# Altium PCB PCB_EUROC_mk2_BGA.PcbDoc (part 1 of 3) (continued)
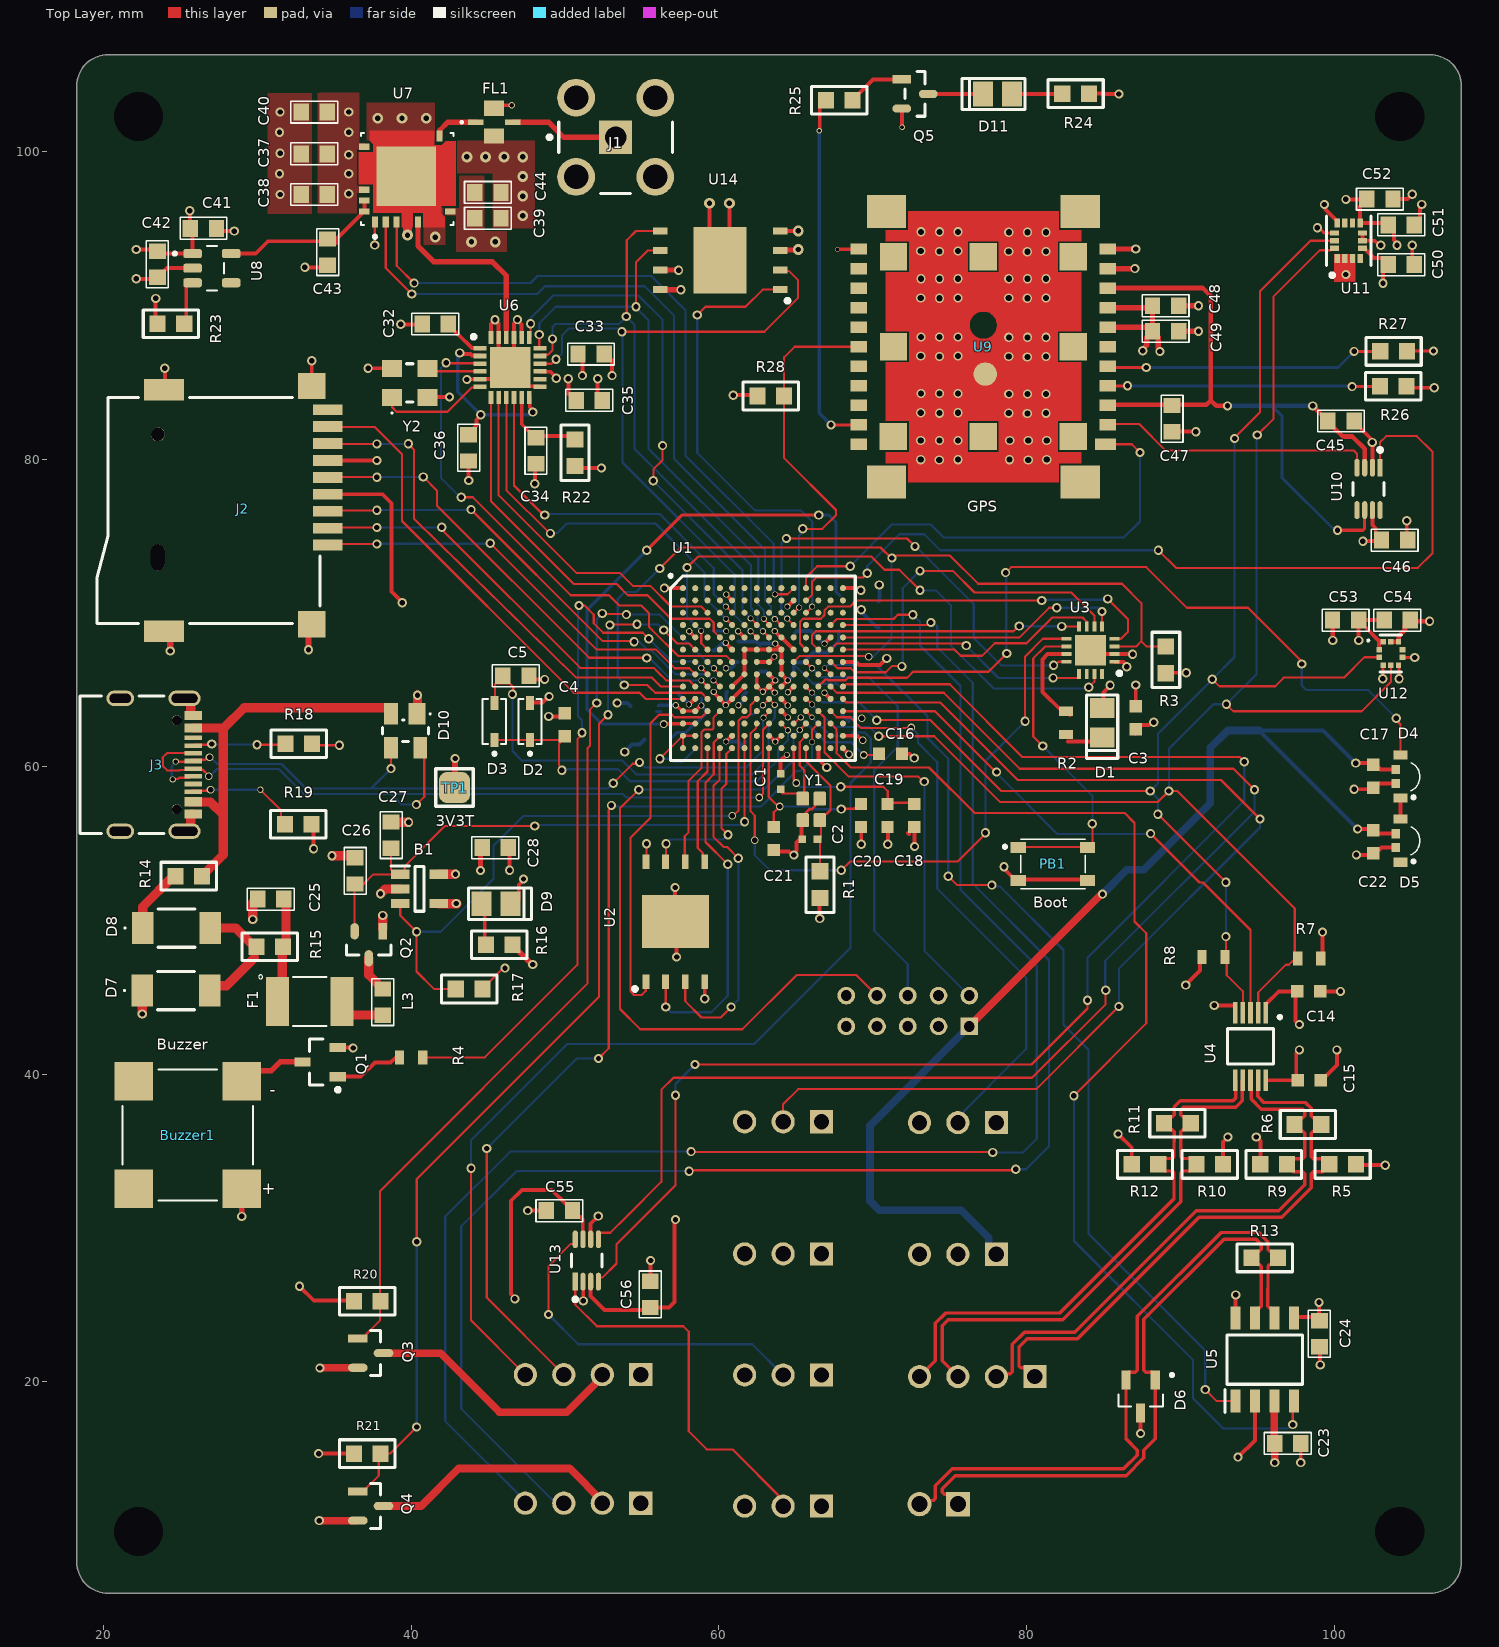
[diagram p0: Top Layer view]
## Design rules (kind name [scope] priority, off if disabled: settings)
Clearance Clearance_BGA [WithinRoom('BGA_Clearence')] p1: gap=0 ignorepadtopadclearanceinfootprint=TRUE except(0.09: Arc-Arc; 0.1: Arc-Poly Track-Poly SMDPad-Poly THPad-Poly Via-Poly Fill-Poly Poly-Poly; 0.127: Arc-Via Track-Via SMDPad-Via; 0.14: Arc-Track Arc-SMDPad Track-Track Track-SMDPad SMDPad-SMDPad; 0.33: Arc-THPad Track-THPad SMDPad-THPad THPad-THPad)
Clearance Clearance_1 [All] p2: gap=0.1 ignorepadtopadclearanceinfootprint=FALSE except(0: Arc-Hole Track-Hole SMDPad-Hole THPad-Hole Via-Hole Fill-Hole Text-Hole; 0.102: Track-Track; 0.127: Arc-SMDPad Arc-Via Track-SMDPad Track-Via SMDPad-SMDPad SMDPad-Via THPad-Via Via-Via; 0.15: Arc-Text Track-Text SMDPad-Text THPad-Text Via-Text Fill-Text Poly-Text Region-Text Text-Text; 0.33: Arc-THPad Track-THPad SMDPad-THPad THPad-THPad; 0.4: THPad-Poly)
DiffPairsRouting [All] p1: maxlimit=0.254 minlimit=0.1 mostfreqgap=0.127 toplayer_prefgap=0.21 toplayer_minwidth=0.127 toplayer_maxwidth=0.381 toplayer_prefwidth=0.16 midlayer1_mingap=0.127 midlayer1_maxgap=0.127 midlayer1_minwidth=0.15 midlayer1_maxwidth=0.15 midlayer1_prefwidth=0.15 midlayer2_mingap=0.127 midlayer2_maxgap=0.127 midlayer2_minwidth=0.15 midlayer2_maxwidth=0.15 midlayer2_prefwidth=0.15 bottomlayer_mingap=0.127 bottomlayer_maxgap=0.127 bottomlayer_minwidth=0.222 bottomlayer_maxwidth=0.222 bottomlayer_prefwidth=0.222 maxuncoupledlength=100
MatchedLengths [InDifferentialPairClass('All Differential Pairs')] p1: tolerance=25.4 checknetsindiffpair=FALSE checkdiffpairvsdiffpair=TRUE checkxsignals=TRUE checkothers=TRUE usedelayunits=TRUE delaytolerance=100.000000
PolygonConnect [All] p1: connectstyle=Direct reliefconductorwidth=0.254 reliefentries=4 polygonreliefangle="90 Angle" airgapwidth=0.254
RoutingVias [All] p1: holewidth=0.3 width=0.4 viastyle="Through Hole" minholewidth=0.3 minwidth=0 maxholewidth=0.6 maxwidth=0.7
SolderMaskExpansion [All] p1: expansion=0.05 istentingtop=FALSE
SupplyNets "Schematic Supply Nets_8" [InNet('GND')] p1: voltage=0.000
SupplyNets "Schematic Supply Nets_7" [InNet('GND_CAM_1')] p2: voltage=0.000
SupplyNets "Schematic Supply Nets_6" [InNet('1V8')] p3: voltage=0.000
SupplyNets "Schematic Supply Nets_5" [InNet('VUSB')] p4: voltage=0.000
SupplyNets "Schematic Supply Nets_4" [InNet('+3V3')] p5: voltage=0.000
SupplyNets "Schematic Supply Nets_3" [InNet('+5V')] p6: voltage=0.000
SupplyNets "Schematic Supply Nets_2" [InNet('GND_CAM_2')] p7: voltage=0.000
SupplyNets "Schematic Supply Nets_1" [InNet('+3V3T')] p8: voltage=0.000
SupplyNets "Schematic Supply Nets" [InNet('+5VT')] p9: voltage=0.000
ViasUnderSMD [All] p1: allowed=FALSE
Width [All] p1: maxlimit=0.65 minlimit=0.14 preferedwidth=0.254
29 further rules are at their usual default settings.

## Classes and differential pairs
differential pair class CAN_BUS: CAN
component class RF: 32 C32 C33 C34 C35 C36 C37 C38 C39 C40 C41 C42 C43 C44 FL1 J1 R22 R23 U6 U7 U8 Y2
component class PMU: 5V B1 C23 C24 C25 C26 C27 C28 C29 C30 C31 CAN_N D6 D7 D8 D9 D10 F1 GND J3 L3 Q2 Q3 Q4 R13 R14 R15 R16 R17 R18 R19 R20 R21 TP1 U5
component class Modulos: 20 21 24 27 C45 C46 C47 C48 C49 C50 C51 C52 C53 C54 C55 C56 D11 J2 l P P7 Q5 R24 R25 R26 R27 R28 TX U9 U10 U11 U12 U13 U14
component class CPU: Buzzer1 C1 C2 C3 C4 C5 C6 C7 C8 C9 C10 C11 C12 C13 C14 C15 C16 C17 C18 C19 C20 C21 C22 D1 D2 D3 D4 D5 L1 L2 PB1 Q1 R1 R2 R3 R4 R5 R6 R7 R8 R9 R10 R11 R12 SDA_P U1 U2 U3 U4 Y1
differential pair I2C1_SDA: +I2C1_SDA_P -I2C1_SDA_N
differential pair I2C1_SCL: +I2C1_SCL_P -I2C1_SCL_N
differential pair CAN: +CAN_P -CAN_N

## Components (designator, comment, footprint, x,y, rotation, side; value= is the part's Value field where it differs from the comment)
5V "Header 3" "JST XH 3" 64.172,28.31 r0 bottom
5V "Header 3" "JST XH 3" 75.54,28.284 r0 bottom
20 "Header 3" XH-3-PM 75.54,36.844 r0 bottom
21 "Header 3" XH-3-PM 64.172,20.436 r0 bottom
24 "Header 3" XH-3-PM 64.172,36.895 r0 bottom
27 "Header 3" XH-3-PM 64.172,11.914 r0 bottom
B1 "TLV75733PDBVR" SOT95P280X145-5N 40.535,52.05 r0 top
Buzzer1 "Alarm" CMT-8504-100-SMT-TR-Footprint-1 25.473,36.048 r180 top
C1 "885392005127" WCAP-CSRF_0402 64.017,59.042 r90 top value=12pF
C2 "885392005127" WCAP-CSRF_0402 65.913,55.29 r180 top value=12pF
C3 "885012206073" WCAP-CSGP_0603_L1.6W0.8H0.8_Reflow 87.096,63.174 r270 top value=220nF
C4 "885012206073" WCAP-CSGP_0603_L1.6W0.8H0.8_Reflow 49.979,62.725 r270 top value=220nF
C5 "Cap ceramic" MY_0603 46.801,65.913 r0 top value=10uF
C6 "885012206073" WCAP-CSGP_0603_L1.6W0.8H0.8_Reflow 61.699,62.155 r270 bottom value=220nF
C7 "Cap ceramic" MY_0603 68.019,64.196 r270 bottom value=10uF
C8 "885012106012" WCAP-CSGP_0603_L1.6W0.8H0.8_Reflow 62.659,67.055 r270 bottom value=4.7µF
C9 "885012206073" WCAP-CSGP_0603_L1.6W0.8H0.8_Reflow 61.264,67.472 r270 bottom value=220nF
C10 "885012206065" WCAP-CSGP_0603_L1.6W0.8H0.8_Reflow 64.944,67.824 r90 bottom value=10nF
C11 "885012206073" WCAP-CSGP_0603_L1.6W0.8H0.8_Reflow 58.068,64.792 r180 bottom value=220nF
C12 "885012106012" WCAP-CSGP_0603_L1.6W0.8H0.8_Reflow 58.517,61.997 r270 bottom value=4.7µF
C13 "Cap ceramic" MY_0603 56,61.725 r180 bottom value=10uF
C14 "885012206071" WCAP-CSGP_0603_L1.6W0.8H0.8_Reflow 98.345,45.396 r180 top value=100nF
C15 "885012206071" WCAP-CSGP_0603_L1.6W0.8H0.8_Reflow 98.383,39.614 r180 top value=100nF
C16 "885012206073" WCAP-CSGP_0603_L1.6W0.8H0.8_Reflow 71.155,60.832 r0 top value=220nF
C17 "885012206071" WCAP-CSGP_0603_L1.6W0.8H0.8_Reflow 102.539,59.385 r270 top value=100nF
C18 "885012106012" WCAP-CSGP_0603_L1.6W0.8H0.8_Reflow 72.697,56.826 r270 top value=4.7µF
C19 "885012206073" WCAP-CSGP_0603_L1.6W0.8H0.8_Reflow 70.965,56.826 r270 top value=220nF
C20 "885012106012" WCAP-CSGP_0603_L1.6W0.8H0.8_Reflow 69.234,56.826 r270 top value=4.7µF
C21 "885012206073" WCAP-CSGP_0603_L1.6W0.8H0.8_Reflow 63.573,55.327 r270 top value=220nF
C22 "885012206071" WCAP-CSGP_0603_L1.6W0.8H0.8_Reflow 102.539,55.117 r270 top value=100nF
C23 "Cap ceramic" MY_0603 96.977,16.002 r180 top value=100nF
C24 "Cap ceramic" MY_0603 99.035,23.128 r90 top value=100nF
C25 "Cap ceramic" MY_0603 30.858,51.39 r180 top value=2.2uF
C26 "Cap ceramic" MY_0603 36.353,53.22 r90 top value=0.22uF
C27 "Cap ceramic" MY_0603 38.69,55.553 r90 top value=0.22uF
C28 "Cap ceramic" MY_0603 45.454,54.737 r0 top value=2.2uF
C29 "Cap ceramic" MY_0402 59.634,68.206 r90 bottom value=220nF
C30 "Cap ceramic" MY_0603 70.368,69.879 r90 bottom value=4.7uF
C31 "Cap ceramic" MY_0402 61.122,64.821 r0 bottom value=10nF
C32 "Cap ceramic" MY_0603 41.555,88.777 r180 top value=10nF
C33 "Cap ceramic" MY_0603 51.686,86.823 r0 top value=100nF
C34 "Cap ceramic" MY_0603 48.104,80.539 r270 top value=100nF
C35 "Cap ceramic" MY_0603 51.573,83.812 r0 top value=4.7uF
C36 "Cap ceramic" MY_0603 43.732,80.724 r270 top value=470nF
C37 "Cap ceramic" MY_0603 33.696,99.84 r0 top value=10pF
C38 "Cap ceramic" MY_0603 33.696,97.198 r0 top value=10pF
C39 "Cap ceramic" MY_0603 44.983,95.655 r180 top value=10pF
C40 "Cap ceramic" MY_0603 33.696,102.558 r0 top value=10uF
C41 "Cap ceramic" MY_0603 26.491,94.994 r180 top value=100nF
C42 "Cap ceramic" MY_0603 23.494,92.669 r90 top value=1uF
C43 "Cap ceramic" MY_0603 34.561,93.453 r270 top value=1uF
C44 "Cap ceramic" MY_0603 44.983,97.331 r0 top value=100nF
C45 "Cap ceramic" MY_0603 100.442,82.471 r180 top value=4.7uF
C46 "Cap ceramic" MY_0603 103.923,74.725 r180 top value=100nF
C47 "Cap ceramic" MY_0603 89.459,82.626 r90 top value=100nF
C48 "Cap ceramic" MY_0603 89.037,89.967 r0 top value=100nF
C49 "Cap ceramic" MY_0603 89.037,88.307 r0 top value=4.7uF
C50 "Cap ceramic" MY_0603 104.353,92.634 r0 top value=100nF
C51 "Cap ceramic" MY_0603 104.353,95.225 r0 top value=100nF
C52 "Cap ceramic" MY_0603 102.972,96.901 r0 top value=10uF
C53 "Cap ceramic" MY_0603 100.739,69.528 r180 top value=4.7uF
C54 "Cap ceramic" MY_0603 104.105,69.528 r0 top value=100nF
C55 "Cap ceramic" MY_0603 49.632,31.14 r0 top value=100nF
C56 "Cap ceramic" MY_0603 55.535,25.69 r270 top value=100nF
CAN_N "JST Header Male 2 pin" "XH 2" 74.29,11.53 r0 bottom
D1 "Red" MY_LED_0805 84.835,62.853 r90 top
D2 "BAT54HGW" BAT54HGW-Footprint-1 47.845,62.366 r90 top
D3 "BAT54HGW" BAT54HGW-Footprint-1 45.534,62.366 r90 top
D4 "LED RGB 1" 1313210530000 104.825,59.359 r270 top
D5 "LED RGB 2" 1313210530000 104.825,55.194 r270 top
D6 "NUP2105LT1G" NUP2105LT1G-Footprint-1 90.21,18.928 r270 top
D7 "PMEG3050EP-QX" PMEG3050EP-QX-Footprint-1 24.711,45.446 r0 top
D8 "PMEG3050EP-QX" PMEG3050EP-QX-Footprint-1 24.736,49.51 r0 top
D9 "Red" MY_LED_0805 45.513,51.009 r180 top
D10 "SP0503BAHTG" LFUS-SOT143-4_V 39.631,62.33 r270 top
D11 "LED GPS" MY_LED_0805 78.104,103.808 r0 top
F1 "MF-MSMF050-2" FUSM4632X85 33.406,44.735 r0 top
FL1 "748323024" WE-BPF_0805 1315.386,1371.896 r0 top
J1 "PCB.SMAFRA.HT" FP-PCB_SMAFRA_HT-MFG 53.288,104.97 r0 top
J2 "693071020811" 693071020811 26.822,76.657 r270 top
J3 "629722000214" 629722000214 22.225,60.122 r270 top
L1 "74479775247" WE-PMI_0805_L2W1.2H1 67.561,70.007 r270 bottom
L2 "742792625" WE-CBF_0603_L1.6W0.8H0.8_HC 55.19,63.953 r180 bottom
L3 "Ferrite 120" MY_0603 38.148,44.698 r90 top
P7 "M80-5001022" M80-50010YY_2 76.278,43.116 r180 bottom
PB1 "Reset Button" "Push Button-Footprint-1" 81.509,53.289 r0 top
Q1 "BC817K-40" INF-SOT23_N 34.075,40.798 r180 top
Q2 "DMG2305UX-7" FP-SOT23-IPC_C 37.233,48.418 r270 top
Q3 "IRLML6244TRPBF" FP-Micro3-IPC_C 37.359,21.875 r0 top
Q4 "IRLML6244TRPBF" FP-Micro3-IPC_C 37.359,11.936 r0 top
Q5 "2N7002LT7G" FP-318-IPC_C 72.748,103.732 r0 top
R1 "2.2M" R0603-0.45 66.573,52.332 r270 top
R2 "560112116067" WRIS-RSKS_0603_Reflow 82.57,62.849 r90 top value=470
R3 "100k" R0603-0.45 89.059,66.939 r270 top
R4 "560112116097" WRIS-RSKS_0603_Reflow 39.992,41.103 r180 top value=180
R5 "600R" R0603-0.45 100.542,34.146 r180 top
R6 "120R" R0603-0.45 98.295,36.734 r0 top
R7 "560112116038" WRIS-RSKS_0603_Reflow 98.374,47.523 r180 top value=1.5k
R8 "560112116038" WRIS-RSKS_0603_Reflow 92.148,47.631 r0 top value=1.5k
R9 "600R" R0603-0.45 96.061,34.146 r180 top
R10 "600R" R0603-0.45 91.905,34.146 r180 top
R11 "120R" R0603-0.45 89.811,36.825 r0 top
R12 "600R" R0603-0.45 87.7,34.146 r180 top
R13 "120R" R0603-0.45 95.478,28.065 r180 top
R14 "0" R0603-0.45 25.54,52.889 r180 top
R15 "0" R0603-0.45 30.807,48.291 r180 top
R16 "100" R0603-0.45 45.717,48.418 r0 top
R17 "470k" R0603-0.45 43.761,45.548 r180 top
R18 "5.1K" R0603-0.45 32.69,61.493 r180 top
R19 "5.1K" R0603-0.45 32.648,56.262 r180 top
R20 "10k" R0603-0.45 37.131,25.253 r180 top
R21 "10k" R0603-0.45 37.131,15.342 r180 top
R22 "0" R0603-0.45 50.644,80.413 r90 top
R23 "10k" R0603-0.45 24.375,88.791 r180 top
R24 "2k" R0603-0.45 83.184,103.757 r180 top
R25 "10k" R0603-0.45 67.816,103.326 r180 top
R26 "1M" R0603-0.45 103.835,84.735 r180 top
R27 "10k" R0603-0.45 103.861,86.995 r180 top
R28 "10k" R0603-0.45 63.372,84.098 r180 top
SDA_P "Header 4" "JST XH" 76.79,19.953 r0 bottom
TP1 "Test Point" MY_Testpad1 42.813,58.644 r0 top
TX "Header 4" "JST XH" 51.168,20.08 r0 bottom
TX "Header 4" "JST XH" 51.168,11.719 r0 bottom
U1 "MIMXRT1062DVJ6B" BGA196C80P14X14_1200X1200X152 62.862,66.407 r0 top
U2 "W25Q64JV" "WSON 8X6" 57.175,49.922 r90 top
U3 "MKL02Z32VFG4" QFN50P300X300X65-17N 84.158,67.567 r180 top
U4 "PCA9615DPZ" PCA9615DPZ-Footprint-1 94.815,41.814 r270 top
U5 "MCP2558FD-H/SN" MCP2557FD-H_SN-Footprint-1 93.189,15.482 r90 top
U6 "SX1280IMLTRT" SX1280IMLTRT-Footprint-1 46.432,85.946 r0 top
U7 "SKY65383-11" SKY65383-11-Footprint-1 39.675,98.265 r90 top
U8 "TPS7A20285PDBVR" TPS7A20285PDBVR-Footprint-1 27.037,92.408 r0 top
U9 "Erinome I" 2614019037001-Footprint-1 77.317,85.522 r0 top
U10 "TXB0102DCUR" FP-DCU0008A-IPC_B 102.231,78.059 r270 top
U11 "WSEN-ISDS" WSEN-ISDS-Footprint-1 100.963,94.191 r90 top
U12 "WSEN-PADS" WSEN-PADS-Footprint-1 103.733,67.409 r0 top
U13 "TXB0102DCUR" FP-DCU0008A-IPC_B 51.413,27.899 r90 top
U14 "W25Q64JV" "WSON 8X6" 60.08,92.923 r180 top
Y1 "24MHz" EPSON-FA-128_V 66.004,57.224 r180 top
Y2 "ECS-520-12-33B-7HN-TR" ECS-520-12-33B-7HN-TR-Footprint-1 39.895,84.946 r0 top

## Footprints (in the part's own frame and the unit in brackets; to place one, negate y for a bottom-side part, rotate by r counter-clockwise, add the part's x,y. Pads: shape width x height; smd on the part's side, far side on the other; paste and mask are expansions set on the pad)
629722000214 [mm] "USB TYPE C VERTICAL PLUG"
  rect 0.6x1.14 smd: A1/B12(-3.2,3.605) A4/B9(-2.4,3.605) A9/B4(2.4,3.605) A12/B1(3.2,3.605)
  rect 0.3x1.14 smd: A5(-1.25,3.605) A6(-0.25,3.605) A7(0.25,3.605) A8(1.25,3.605) B5(1.75,3.605) B6(0.75,3.605) B7(-0.75,3.605) B8(-1.75,3.605)
  round 0.65 hole 0.65 unplated: MH1(-2.89,2.535) MH2(2.89,2.535)
  oval 1x2.1 hole 0.6 slot 1.7 at 90 deg: Shell(-4.32,3.035) Shell(4.32,3.035)
  oval 1x1.8 hole 0.6 slot 1.4 at 90 deg: Shell(-4.32,-1.145) Shell(4.32,-1.145)
  silkscreen extent -4.47,-3.76 4.47,1.7, body extent -4.79,-3.76 4.79,3.95, height 3.33
693071020811 [mm] "Micro SD Card Connector Push & Push - with Card Detection - 8 Pins"
  rect 0.7x1.9 smd: 1(2.25,7.75) 2(1.15,7.75) 3(0.05,7.75) 4(-1.05,7.75) 5(-2.15,7.75) 6(-3.25,7.75) 7(-4.35,7.75) 8(-5.45,7.75) 9(-6.55,7.75)
  rect 1.7x1.8 smd: 10(-8.1,6.7) 11(7.4,6.7)
  rect 1.4x2.6 smd: 12(-7.85,-2.9) 13(7.85,-2.9)
  round 0.9 hole 0.9 unplated: MH1(-4.95,-3.3)
  oval 1.7x0.9 hole 0.9 slot 1.7 at 0 deg unplated: MH2(3.05,-3.3)
  silkscreen extent -7.35,-7.25 7.35,7.25, body extent -8.2,-7.3 8.2,7.73, height 1.85
1313210530000 [mm] "Chip LED Compact IC RGB"
  rect 0.6x0.9 smd: 1(1.4,-0.51) 4(-1.4,-0.51)
  rect 0.6x0.55 smd: 2(0.45,-0.835) 3(-0.45,-0.835)
  silkscreen extent -0.9,0.17 1.45,0.75, body extent -1.6,-0.75 1.6,0.75, height 1.01
2614019037001-Footprint-1 [mil]
  rect 53.94x29 smd: 1(307.99,-180)
  rect 42.13x29 smd: 2(313.9,-130) 3(313.9,-80) 4(313.9,-30) 5(313.9,20) 6(313.9,70) 7(313.9,120) 8(313.9,170) 9(313.9,220) 10(313.9,270) 11(313.9,320) 12(-323.9,320) 13(-323.9,270) 14(-323.9,220) 15(-323.9,170) 16(-323.9,120) 17(-323.9,70) 18(-323.9,20) 19(-323.9,-30) 20(-323.9,-80) 21(-323.9,-130) 22(-323.9,-180)
  round 60 smd: 10(0,0)
  rect 70x70 smd: P$1(-5,-159.92) P$2(224.92,-159.92) P$3(224.92,70) P$4(224.92,299.92) P$5(-234.92,299.92) P$6(-234.92,70) P$7(-235.32,-159.92) P$12(-5,299.92)
  rect 100x85.04 smd: P$8(-253.03,-276.46) P$9(243.03,-276.46) P$10(243.03,416.46) P$11(-253.03,416.46)
  Top Layer region: -255,368.14 -255,340 -195,340 -195,260 -255,260 -255,110 -195,110 -195,30 -255,30 -255,-120 -195,-120 -195,-200 -255,-200 -255,-228.17 -197.21,-228.17 -197.21,-276.46 187.72,-276.46 187.72,-228.17 245,-228.17 245,-200 185,-200 185,-120 245,-120 245,30 185,30 185,110 245,110 245,260 185,260 185,340 245,340 245,368.14 187.72,368.14 187.72,416.46 -5,416.46 -5,340 35,340 35,260 -5,260 -5,160.16 8.41,157.5 19.78,149.9 27.38,138.53 30.04,125.12 30.04,125.12 30.04,124.72 27.43,111.61 20.01,100.5 8.9,93.08 -4.21,90.47 -4.21,90.47 -5,90.47 -4.7,90.41 -4.44,90.25 -4.27,89.99 -4.21,89.69 -4.21,89.69 -5,-120 35,-120 35,-200 -45,-200 -45,-120 -4.41,-120 -4.41,89.88 -4.43,90.03 -4.52,90.16 -4.65,90.25 -4.8,90.28 -4.8,90.28 -4.9,90.3 -4.97,90.37 -5,90.47 -5,90.47 -18.41,93.14 -29.78,100.73 -37.37,112.1 -40.04,125.51 -40.04,125.51 -37.39,138.81 -29.82,150.08 -18.52,157.58 -5.2,160.16 -5.2,160.16 -5.2,260 -45,260 -45,340 -5.2,340 -5.2,416.46 -197.21,416.46 -197.21,368.14
  body extent -359,-284 350,425, height 280
BAT54HGW-Footprint-1 [mm]
  rect 0.9x0.5 smd mask+0.05: A(1.778,0.127) C(-0.635,0.127)
  silkscreen extent -1.62,-0.64 2.04,0.89, body extent -0.77,-0.52 1.91,0.78, height 1.15
BGA196C80P14X14_1200X1200X152 [mm]
  round 0.394 smd: A1(-5.2,5.2) A2(-4.4,5.2) A3(-3.6,5.2) A4(-2.8,5.2) A5(-2,5.2) A6(-1.2,5.2) A7(-0.4,5.2) A8(0.4,5.2) A9(1.2,5.2) A10(2,5.2) A11(2.8,5.2) A12(3.6,5.2) A13(4.4,5.2) A14(5.2,5.2) B1(-5.2,4.4) B2(-4.4,4.4) B3(-3.6,4.4) B4(-2.8,4.4) B5(-2,4.4) B6(-1.2,4.4) B7(-0.4,4.4) B8(0.4,4.4) B9(1.2,4.4) B10(2,4.4) B11(2.8,4.4) B12(3.6,4.4) B13(4.4,4.4) B14(5.2,4.4) C1(-5.2,3.6) C2(-4.4,3.6) C3(-3.6,3.6) C4(-2.8,3.6) C5(-2,3.6) C6(-1.2,3.6) C7(-0.4,3.6) C8(0.4,3.6) C9(1.2,3.6) C10(2,3.6) C11(2.8,3.6) C12(3.6,3.6) C13(4.4,3.6) C14(5.2,3.6) D1(-5.2,2.8) D2(-4.4,2.8) D4(-2.8,2.8) D5(-2,2.8) D6(-1.2,2.8) D7(-0.4,2.8) D8(0.4,2.8) D9(1.2,2.8) D10(2,2.8) D11(2.8,2.8) D12(3.6,2.8) D13(4.4,2.8) D14(5.2,2.8) E1(-5.2,2) E2(-4.4,2) E3(-3.6,2) E4(-2.8,2) E5(-2,2) E6(-1.2,2) E7(-0.4,2) E8(0.4,2) E9(1.2,2) E10(2,2) E11(2.8,2) E12(3.6,2) E13(4.4,2) E14(5.2,2) F1(-5.2,1.2) F2(-4.4,1.2) F3(-3.6,1.2) F4(-2.8,1.2) F5(-2,1.2) F6(-1.2,1.2) F7(-0.4,1.2) F8(0.4,1.2) F9(1.2,1.2) F10(2,1.2) F11(2.8,1.2) F12(3.6,1.2) F13(4.4,1.2) F14(5.2,1.2) G1(-5.2,0.4) G2(-4.4,0.4) G3(-3.6,0.4) G4(-2.8,0.4) G5(-2,0.4) G6(-1.2,0.4) G7(-0.4,0.4) G8(0.4,0.4) G9(1.2,0.4) G10(2,0.4) G11(2.8,0.4) G12(3.6,0.4) G13(4.4,0.4) G14(5.2,0.4) H1(-5.2,-0.4) H2(-4.4,-0.4) H3(-3.6,-0.4) H4(-2.8,-0.4) H5(-2,-0.4) H6(-1.2,-0.4) H7(-0.4,-0.4) H8(0.4,-0.4) H9(1.2,-0.4) H10(2,-0.4) H11(2.8,-0.4) H12(3.6,-0.4) H13(4.4,-0.4) H14(5.2,-0.4) J1(-5.2,-1.2) J2(-4.4,-1.2) J3(-3.6,-1.2) J4(-2.8,-1.2) J5(-2,-1.2) J6(-1.2,-1.2) J7(-0.4,-1.2) J8(0.4,-1.2) J9(1.2,-1.2) J10(2,-1.2) J11(2.8,-1.2) J12(3.6,-1.2) J13(4.4,-1.2) J14(5.2,-1.2) K1(-5.2,-2) K2(-4.4,-2) K3(-3.6,-2) K4(-2.8,-2) K5(-2,-2) K6(-1.2,-2) K7(-0.4,-2) K8(0.4,-2) K9(1.2,-2) K10(2,-2) K11(2.8,-2) K12(3.6,-2) K13(4.4,-2) K14(5.2,-2) L1(-5.2,-2.8) L2(-4.4,-2.8) L3(-3.6,-2.8) L4(-2.8,-2.8) L5(-2,-2.8) L6(-1.2,-2.8) L7(-0.4,-2.8) L8(0.4,-2.8) L9(1.2,-2.8) L10(2,-2.8) L11(2.8,-2.8) L12(3.6,-2.8) L13(4.4,-2.8) L14(5.2,-2.8) M1(-5.2,-3.6) M2(-4.4,-3.6) M3(-3.6,-3.6) M4(-2.8,-3.6) M5(-2,-3.6) M6(-1.2,-3.6) M7(-0.4,-3.6) M8(0.4,-3.6) M9(1.2,-3.6) M10(2,-3.6) M11(2.8,-3.6) M12(3.6,-3.6) M13(4.4,-3.6) M14(5.2,-3.6) N1(-5.2,-4.4) N2(-4.4,-4.4) N3(-3.6,-4.4) N4(-2.8,-4.4) N5(-2,-4.4) N6(-1.2,-4.4) N7(-0.4,-4.4) N8(0.4,-4.4) N9(1.2,-4.4) N10(2,-4.4) N11(2.8,-4.4) N12(3.6,-4.4) N13(4.4,-4.4) N14(5.2,-4.4) P1(-5.2,-5.2) P2(-4.4,-5.2) P4(-2.8,-5.2) P5(-2,-5.2) P6(-1.2,-5.2) P7(-0.4,-5.2) P8(0.4,-5.2) P9(1.2,-5.2) P10(2,-5.2) P11(2.8,-5.2) P12(3.6,-5.2) P13(4.4,-5.2) P14(5.2,-5.2)
  round 0.394 smd mask+0.05: D3(-3.6,2.8) P3(-3.6,-5.2)
  silkscreen extent -6.1,-6 6,6.1, body extent -5.97,-5.97 6.03,6.03, height 1.52
CMT-8504-100-SMT-TR-Footprint-1 [mm]
  rect 2.5x2.5 smd: 1(3.5,3.5) 2(3.5,-3.5) N(-3.5,-3.5) P(-3.5,3.5)
  silkscreen extent -4.25,-4.25 4.25,4.25, body extent -4.25,-4.28 4.28,4.25, height 4
ECS-520-12-33B-7HN-TR-Footprint-1 [mm]
  rect 1.3x1.1 smd: 1(-1.15,-0.95) 2(1.15,-0.95) 3(1.15,0.95) 4(-1.15,0.95)
  silkscreen extent -1.2,-2 0.2,1.25, body extent -1.69,-1.39 1.69,1.39, height 0.9
EPSON-FA-128_V [mm] "SMD, 4-Leads, Body 2x1.6mm, Pitch 1.45mm"
  rrect20% 0.8x0.9 smd: 1(-0.55,0.7) 2(-0.55,-0.7) 3(0.55,-0.7) 4(0.55,0.7)
  body extent -0.8,-1 0.8,1, height 0.4
FP-318-IPC_C [mm]
  rect 1.224x0.538 smd paste+0 mask+0: 1(-0.86,0.95)
  rrect100% 1.224x0.538 smd paste+0 mask+0: 2(-0.86,-0.95) 3(0.86,0)
  silkscreen extent -0.65,-1.45 0.65,1.45, body extent -1.57,-1.55 1.57,1.55, height 0.25
FP-DCU0008A-IPC_B [mm]
  rect 1.16x0.337 smd paste+0 mask+0: 1(-1.376,0.75)
  rrect100% 1.16x0.337 smd paste+0 mask+0: 2(-1.376,0.25) 3(-1.376,-0.25) 4(-1.376,-0.75) 5(1.376,-0.75) 6(1.376,-0.25) 7(1.376,0.25) 8(1.376,0.75)
  silkscreen extent -2.66,-1 0.42,1, body extent -2.21,-1.25 2.21,1.25, height 0.25
FP-Micro3-IPC_C [mm]
  rect 1.274x0.532 smd paste+0 mask+0: 1(-0.835,0.95)
  rrect100% 1.274x0.532 smd paste+0 mask+0: 2(-0.835,-0.95) 3(0.835,0)
  silkscreen extent 0,-1.46 0.65,1.46, body extent -1.57,-1.56 1.57,1.56, height 0.25
FP-PCB_SMAFRA_HT-MFG [mm]
  rect 2.15x2.15 hole 1.4 paste-2539.97 mask+0: 1(0,-4.05)
  round 2.45 hole 1.6 paste-2539.97 mask+0: S1(-2.575,-1.475) S2(2.575,-1.475) S3(-2.575,-6.625) S4(2.575,-6.625)
  silkscreen extent -4.42,-7.7 3.7,-3.08, body extent -3.9,-7.95 3.9,7.8, height 0.25
FP-SOT23-IPC_C [mm]
  rect 1.059x0.547 smd paste+0 mask+0: 1(-0.877,0.915)
  rrect100% 1.059x0.547 smd paste+0 mask+0: 2(-0.877,-0.915) 3(0.877,0)
  silkscreen extent 0.03,-1.45 0.65,1.45, body extent -1.51,-1.55 1.51,1.55, height 0.25
FUSM4632X85 [mm]
  rect 1.5x3.2 smd: 1(-2.1,0) 2(2.1,0)
  silkscreen extent -3.33,-1.6 1.1,1.73, body extent -2.27,-1.62 2.27,1.62, height 0.85
INF-SOT23_N [mm] "SOT23, 3-Leads, Body 2.9x1.3 mm, Pitch 0.95 mm, IPC Medium Density"
  rect 1.05x0.6 smd: 1(-1.15,0.95) 2(-1.15,-0.95) 3(1.15,0)
  silkscreen extent -1.28,-1.5 0.7,1.92, body extent -0.7,-1.5 0.7,1.5, height 1.1
"JST XH" [mm]
  rect 1.508x1.508 / inner round 1.508 / far side rect 1.508x1.508 hole 1: 1(3.75,-0.398)
  round 1.508 hole 1: 2(1.25,-0.398) 3(-1.25,-0.398) 4(-3.75,-0.398)
  silkscreen extent -6.2,-2.75 7.1,3, body extent -6.2,-2.75 6.2,3, height 7
"JST XH 3" [mm]
  rect 1.508x1.508 / inner round 1.508 / far side rect 1.508x1.508 hole 1: 1(2.5,-0.017)
  round 1.508 hole 1: 2(0,-0.017) 3(-2.5,-0.017)
  silkscreen extent -4.95,-2.37 5.85,3.38, body extent -4.95,-2.37 4.95,3.38, height 7
LFUS-SOT143-4_V [mm] "SOT143, 4-Leads, Body 3.04x1.4mm, Pitch 1.90mm"
  rect 1.4x1.1 smd: 1(-1.1,0.75)
  rect 1.4x0.9 smd: 2(-1.1,-0.95) 3(1.1,-0.95) 4(1.1,0.95)
  silkscreen extent -1.15,-1.5 0.7,1.65, body extent -0.7,-1.52 0.7,1.52, height 1.22
M80-50010YY_2 [mm]
  rect 1.15x1.15 hole 0.7: 1(0,0)
  round 1.15 hole 0.7: 2(2,0) 3(4,0) 4(6,0) 5(8,0) 6(0,2) 7(2,2) 8(4,2) 9(6,2) 10(8,2)
  silkscreen extent -6,-2.02 14,4.03, body extent -5.99,-1.78 13.99,4.28, height 5.52
MCP2557FD-H_SN-Footprint-1 [mm]
  rect 1.5x0.65 smd: 1(3.269,-0.381) 2(3.269,-1.651) 3(3.269,-2.921) 4(3.269,-4.191) 5(8.669,-4.191) 6(8.669,-2.921) 7(8.669,-1.651) 8(8.669,-0.381)
  silkscreen extent 2.52,-4.74 7.57,0.29, body extent 2.84,-4.7 8.84,0.2, height 1.75
MY_0402 [mm]
  rect 0.7x0.9 smd: 1(-0.65,0) 2(0.65,0)
  silkscreen extent -1.04,-0.48 1.04,0.53, body extent -0.5,-0.25 0.5,0.25, height 0.34
MY_0603 [mm]
  rect 1x1.1 smd: 1(-0.85,0) 2(0.85,0)
  silkscreen extent -1.52,-0.71 1.52,0.71, body extent -0.8,-0.4 0.8,0.4, height 0.44
MY_LED_0805 [mm]
  rect 1.3x1.6 smd: A(0.95,-0.076) K(-0.95,-0.076)
  silkscreen extent -2.31,-1.09 1.8,0.94, body extent -1.06,-0.48 1.01,0.42, height 0.86
MY_Testpad1 [mil]
  rrect50% 79x79 smd: 1(0,0)
  silkscreen extent -48,-48 48,48
NUP2105LT1G-Footprint-1 [mm]
  rect 1.23x0.6 smd: 1(-1.187,-1.844) 2(-1.187,-3.744) 3(0.933,-2.794)
  silkscreen extent -1.62,-4.24 0.52,-0.66, body extent -1.33,-4.24 1.07,-1.34, height 0.91
PCA9615DPZ-Footprint-1 [mm]
  rect 1.4x0.3 smd: 1(-2.2,0.746) 2(-2.2,0.246) 3(-2.2,-0.254) 4(-2.2,-0.754) 5(-2.2,-1.254) 6(2.2,-1.254) 7(2.2,-0.754) 8(2.2,-0.254) 9(2.2,0.246) 10(2.2,0.746)
  silkscreen extent -2.01,-1.75 1.15,1.75, body extent -2.45,-1.75 2.45,1.25, height 1.1
PMEG3050EP-QX-Footprint-1 [mm]
  rect 1.4x2.1 smd: 1(-2.2,0) 2(2.2,0)
  silkscreen extent -3.4,-1.25 1.2,1.25, body extent -2.35,-1.3 2.35,1.3, height 1.07
"Push Button-Footprint-1" [mm]
  rect 1x0.7 smd: 1(-2.051,1.46) 1(2.449,1.46) 2(-2.051,-0.69) 2(2.449,-0.69)
  silkscreen extent -3.02,-1.21 2.3,2, body extent -2.1,-1.21 2.5,1.99, height 2.6
QFN50P300X300X65-17N [mm]
  rect 0.65x0.25 smd: 1(-1.55,0.75) 2(-1.55,0.25) 3(-1.55,-0.25) 4(-1.55,-0.75) 9(1.55,-0.75) 10(1.55,-0.25) 11(1.55,0.25) 12(1.55,0.75)
  rect 0.25x0.65 smd: 5(-0.75,-1.55) 6(-0.25,-1.55) 7(0.25,-1.55) 8(0.75,-1.55) 13(0.75,1.55) 14(0.25,1.55) 15(-0.25,1.55) 16(-0.75,1.55)
  rect 2x2 smd: 17(0,0)
  silkscreen extent -2,1.38 -1.75,1.62, body extent -1.55,-1.55 1.55,1.55, height 0.65
R0603-0.45 [mm] "Resistor Chip 0603 Height 0.45mm"
  rect 1.05x1.08 smd: 1(-0.865,0) 2(0.865,0)
  silkscreen extent -1.8,-0.9 1.8,0.9, body extent -0.8,-0.4 0.8,0.4, height 0.46
SKY65383-11-Footprint-1 [mm]
  rect 0.7x0.4 smd mask+0: 1(-2.863,2.037) 15(2.737,-2.163)
  rect 0.7x0.4 smd mask+0.05: 2(-2.863,1.337) 3(-2.863,0.637) 5(-2.863,-0.763)
  rect 3.878x3.878 smd paste-3 mask+0: 4_6_7_9_14_16_21_23_25(0.127,0)
  rect 0.4x0.7 smd mask+0: 8(-2.163,-2.863) 22(2.037,2.737) 28(-2.163,2.737)
  rect 0.4x0.7 smd mask+0.05: 26(-0.763,2.737) 27(-1.463,2.737)
  Top Layer region: 1.687,2.137 2.187,2.137 2.437,2.387 3.087,2.387 3.087,-1.813 2.137,-1.813 2.137,-2.313 2.387,-2.563 2.387,-3.213 -1.813,-3.213 -1.813,-2.263 -2.313,-2.263 -2.563,-2.513 -3.213,-2.513 -3.213,-1.113 -2.263,-1.113 -2.263,-0.413 -3.213,-0.413 -3.213,0.287 -2.263,0.287 -2.263,2.137 -0.413,2.137 -0.413,3.087 1.687,3.087
  silkscreen extent -3.91,-3.06 2.94,2.94, body extent -3.06,-3.06 2.94,2.94, height 1.05
SOT95P280X145-5N [mm]
  rect 1.2x0.6 smd: 1(-1.25,0.95) 2(-1.25,0) 3(-1.25,-0.95) 4(1.25,-0.95) 5(1.25,0.95)
  silkscreen extent -1.85,-1.45 0.3,1.5, body extent -1.4,-1.45 1.4,1.45, height 1.45
SX1280IMLTRT-Footprint-1 [mm]
  rect 0.85x0.3 smd: 1(-1.95,1.25) 2(-1.95,0.75) 3(-1.95,0.25) 4(-1.95,-0.25) 5(-1.95,-0.75) 6(-1.95,-1.25) 13(1.95,-1.25) 14(1.95,-0.75) 15(1.95,-0.25) 16(1.95,0.25) 17(1.95,0.75) 18(1.95,1.25)
  rect 0.3x0.85 smd: 7(-1.25,-1.95) 8(-0.75,-1.95) 9(-0.25,-1.95) 10(0.25,-1.95) 11(0.75,-1.95) 12(1.25,-1.95) 19(1.25,1.95) 20(0.75,1.95) 21(0.25,1.95) 22(-0.25,1.95) 23(-0.75,1.95) 24(-1.25,1.95)
  rect 2.65x2.65 smd: 25(0,0)
  silkscreen extent -2.5,1.88 -2.25,2.12, body extent -2,-2 2,2, height 1
TPS7A20285PDBVR-Footprint-1 [mm]
  rrect50% 1.21x0.59 smd: 1(-1.255,0.95) 2(-1.255,0) 3(-1.255,-0.95) 4(1.255,-0.95) 5(1.255,0.95)
  silkscreen extent -2.51,-1.44 0.8,1.44, body extent -1.4,-1.45 1.4,1.45, height 1.45
WCAP-CSGP_0603_L1.6W0.8H0.8_Reflow [mm] "Ceramic Capacitors, body 1.6x0.8mm"
  rect 0.8x0.8 smd: 1(-0.75,0) 2(0.75,0)
  body extent -0.8,-0.4 0.8,0.4, height 0.8
WCAP-CSRF_0402 [mm] "Radio Frequency MLCC, body 1x0.5mm"
  rect 0.5x0.5 smd: 1(-0.5,0) 2(0.5,0)
  body extent -0.5,-0.25 0.5,0.25, height 0.5
WE-BPF_0805 [mm] "Multilayer Chip Band-Pass Filter, body 2x1.25mm"
  rect 1.3x1 smd: 1(-1270,-1269.1) 3(-1270,-1270.9)
  rect 1x0.35 smd: 2(-1268.8,-1270) 4(-1271.2,-1270)
  silkscreen extent -1272.17,-1270.07 -1272.02,-1269.93, body extent -1271,-1270.62 -1269,-1269.37, height 0.95
WE-CBF_0603_L1.6W0.8H0.8_HC [mm] "SMD EMI Suppression Ferrite  Bead, body 1.60x0.80mm"
  rect 0.95x0.7 smd: 1(-0.825,0) 2(0.825,0)
  body extent -0.8,-0.4 0.8,0.4, height 0.8
WE-PMI_0805_L2W1.2H1 [mm] "Power Multilayer Inductor, body 2x1.2mm"
  rect 0.8x1.4 smd: 1(-0.9,0) 2(0.9,0)
  body extent -1,-0.62 1,0.63, height 1
WRIS-RSKS_0603_Reflow [mm] "Fixed Thick Film, body 1.60 x 0.80 mm"
  rect 0.6x0.9 smd: 1(-0.75,0) 2(0.75,0)
  body extent -0.8,-0.4 0.8,0.4, height 0.45
WSEN-ISDS-Footprint-1 [mm]
  rect 0.575x0.35 smd paste-5 mask+0.05: 1(-1.163,0.775) 2(-1.163,0.275) 3(-1.163,-0.225) 4(-1.163,-0.725) 8(1.163,-0.725) 9(1.163,-0.225) 10(1.163,0.275) 11(1.163,0.775)
  rect 0.35x0.575 smd paste-5 mask+0.05: 5(-0.5,-0.888) 6(0,-0.888) 7(0.5,-0.888) 12(0.5,0.938) 13(0,0.938) 14(-0.5,0.938)
  silkscreen extent -2.36,-1.42 1.59,1.47, body extent -1.55,-1.27 1.55,1.32, height 0.87
WSEN-PADS-Footprint-1 [mm]
  rect 0.375x0.35 smd paste-0.02 mask+0.05: 1(-0.81,0.2) 2(-0.81,-0.3) 6(0.71,-0.3) 7(0.71,0.2)
  rect 0.35x0.375 smd paste-0.02 mask+0.05: 3(-0.55,-0.81) 4(-0.05,-0.81) 5(0.45,-0.81) 8(0.45,0.71) 9(-0.05,0.71) 10(-0.55,0.71)
  silkscreen extent -1.55,-1.25 0.65,1.15, body extent -1.05,-1.05 0.95,0.95, height 0.73
"WSON 8X6" [mm]
  rect 0.95x0.45 smd: 1(-3.9,1.905) 2(-3.9,0.635) 3(-3.9,-0.635) 4(-3.9,-1.905) 5(3.9,-1.905) 6(3.9,-0.635) 7(3.9,0.635) 8(3.9,1.905)
  rect 3.45x4.35 smd: 9(0,0)
  silkscreen extent -4.5,2.5 -4.25,2.75, body extent -4.05,-3 4.05,3, height 0.8
"XH 2" [mm]
  rect 1.575x1.575 / inner round 1.575 / far side rect 1.575x1.575 hole 1.05: 1(1.25,-0.525)
  round 1.575 hole 1.05: 2(-1.25,-0.525)
  silkscreen extent -3.7,-2.88 4.54,2.88, body extent -3.7,-2.88 3.7,2.88, height 7
XH-3-PM [mm]
  rect 1.508x1.508 / inner round 1.508 / far side rect 1.508x1.508 hole 1: 1(2.5,-0.017)
  round 1.508 hole 1: 2(0,-0.017) 3(-2.5,-0.017)
  silkscreen extent -4.95,-2.37 5.85,3.38, body extent -4.95,-2.37 4.95,3.38, height 7